# Allegro board SG2042_EVB_V1_1.brd (continued)
## Routing (per net, layer and track width the routed paths; a pad name or vN(x,y) marks a point on that pad's centre or on a via; arc(x,y) is an arc through that point) (continued)
DDR2_DQ22: length 82.9
  TOP w0.16: U1.AL8 v1(116.97,103.15)
  ART03 w0.089: 107.97,105.67 108.89,104.74 114,104.74 114.09,104.65 115.17,104.65 115.49,104.32 115.49,103.86 115.7,103.66 116.46,103.66 v1(116.97,103.15)
  ART03 w0.168: J3.32 70.01,143.12 arc(70.33,143.06) 70.61,142.88 70.81,142.67 arc(71.08,142.49) 71.4,142.43 72.32,142.43 arc(72.64,142.49) 72.92,142.67 73.27,143.03 arc(73.55,143.21) 73.87,143.28 75.7,143.28 arc(76.02,143.21) 76.29,143.03 76.7,142.62 arc(76.92,142.48) 77.17,142.43 77.2,142.43 arc(77.45,142.48) 77.66,142.62 78.07,143.03 arc(78.35,143.21) 78.67,143.28 79.5,143.28 arc(79.82,143.21) 80.09,143.03 80.5,142.62 arc(80.72,142.48) 80.97,142.43 81.27,142.43 81.41,142.56 86.16,142.56 86.79,141.93 87.03,141.93 87.51,142.41 87.74,142.41 88.04,142.11 88.04,141.87 87.56,141.4 87.56,141.16 87.86,140.87 88.1,140.87 88.57,141.34 88.81,141.34 89.11,141.04 89.11,140.81 88.63,140.33 88.63,140.09 88.93,139.8 89.17,139.8 89.64,140.27 89.88,140.27 90.17,139.98 90.17,139.74 89.7,139.26 89.7,139.03 90,138.73 90.23,138.73 90.72,139.22 90.95,139.22 103.59,126.58 103.59,110.02 107.94,105.67 107.97,105.67
DDR2_DQ23: length 80.1
  TOP w0.16: U1.AK5 v1(113.97,104.15)
  ART03 w0.089: v1(113.97,104.15) 113.57,104.55 108.81,104.55 108.53,104.84 107.97,104.84
  ART03 w0.168: 107.97,104.84 107.94,104.84 103,109.77 103,126.33 96.34,133 96.1,133 95.6,132.5 95.37,132.5 95.07,132.8 95.07,133.04 95.57,133.53 95.57,133.77 95.27,134.07 95.03,134.07 94.54,133.57 94.3,133.57 94,133.87 94,134.1 94.5,134.6 94.5,134.84 94.2,135.13 93.97,135.13 93.47,134.64 93.23,134.64 92.94,134.93 92.94,135.17 93.43,135.67 93.43,135.9 93.14,136.2 92.9,136.2 92.4,135.71 92.17,135.71 91.87,136 91.87,136.24 92.36,136.73 92.36,136.97 92.07,137.27 91.83,137.27 91.34,136.77 91.1,136.77 90.8,137.07 90.8,137.31 91.3,137.8 91.3,138.04 91,138.34 90.76,138.34 90.27,137.84 90.03,137.84 85.89,141.98 81.41,141.98 81.27,142.12 80.87,142.12 arc(80.55,142.18) 80.27,142.36 79.86,142.77 arc(79.65,142.92) 79.4,142.96 78.86,142.96 arc(78.61,142.92) 78.4,142.77 77.98,142.36 arc(77.71,142.18) 77.39,142.12 77.07,142.12 arc(76.75,142.18) 76.47,142.36 76.07,142.77 arc(75.85,142.91) 75.59,142.96 74.84,142.96 arc(74.51,142.9) 74.24,142.72 73.88,142.36 arc(73.61,142.18) 73.29,142.12 70.24,142.12 arc(70.15,142.13) 70.07,142.18 J3.177
DDR2_DQ24: length 75.2
  TOP w0.16: U1.AN8 v1(116.97,101.15)
  ART03 w0.089: v1(116.97,101.15) 116.38,101.74 108.54,101.74 108.28,101.48 107.97,101.48
  ART03 w0.168: 107.97,101.48 106.58,101.48 99.65,108.41 99.65,122.12 88.85,132.92 88.85,133.97 85.8,137.02 82.11,137.02 81.66,137.46 81.41,137.46 81.27,137.33 80.97,137.33 arc(80.72,137.38) 80.5,137.52 80.09,137.93 arc(79.82,138.11) 79.5,138.18 78.67,138.18 arc(78.35,138.11) 78.07,137.93 77.66,137.52 arc(77.45,137.38) 77.2,137.33 77.17,137.33 arc(76.92,137.38) 76.7,137.52 76.29,137.93 arc(76.02,138.11) 75.7,138.18 73.86,138.18 arc(73.54,138.11) 73.26,137.93 72.91,137.57 arc(72.63,137.39) 72.31,137.33 71.38,137.33 arc(71.05,137.39) 70.78,137.57 70.58,137.78 arc(70.31,137.96) 69.99,138.02 J3.38
DDR2_DQ25: length 73.1
  TOP w0.16: U1.AN6 v1(114.97,101.15)
  ART03 w0.089: 107.97,100.9 108.62,101.55 114.57,101.55 v1(114.97,101.15)
  ART03 w0.168: J3.183 69.99,137.17 arc(70.16,137.06) 70.36,137.01 73.3,137.01 arc(73.62,137.08) 73.89,137.26 74.25,137.62 arc(74.52,137.8) 74.85,137.87 75.59,137.87 arc(75.85,137.81) 76.07,137.67 76.47,137.26 arc(76.75,137.08) 77.07,137.01 77.39,137.01 arc(77.71,137.08) 77.98,137.26 78.4,137.67 arc(78.61,137.82) 78.86,137.87 79.4,137.87 arc(79.65,137.82) 79.86,137.67 80.27,137.26 arc(80.55,137.08) 80.87,137.01 81.27,137.01 81.86,136.43 84.49,136.43 84.88,136.04 85.12,136.04 85.35,136.28 85.59,136.28 85.89,135.98 85.89,135.75 85.65,135.51 85.65,135.27 85.95,134.98 86.18,134.98 86.42,135.21 86.66,135.21 86.95,134.92 86.95,134.68 86.72,134.44 86.72,134.21 87.01,133.91 87.25,133.91 87.49,134.15 87.72,134.15 88.02,133.85 88.02,133.61 87.78,133.38 87.78,133.14 99.07,121.86 99.07,108.17 106.33,100.9 107.97,100.9
DDR2_DQ26: length 73.7
  TOP w0.16: U1.AT6 v1(114.97,98.15)
  ART03 w0.089: v1(114.97,98.15) 114.57,97.74 108.88,97.74 107.95,96.82 106.97,96.82
  ART03 w0.168: J3.45 68.11,132.07 arc(68.43,132.01) 68.71,131.83 69.06,131.47 arc(69.34,131.29) 69.66,131.22 70.01,131.22 arc(70.33,131.29) 70.61,131.47 70.81,131.67 arc(71.08,131.85) 71.4,131.91 72.97,131.91 arc(73.29,131.85) 73.56,131.67 73.61,131.62 arc(73.88,131.44) 74.2,131.38 75.7,131.38 arc(76.02,131.31) 76.29,131.13 76.7,130.72 arc(76.92,130.58) 77.17,130.53 77.2,130.53 arc(77.45,130.58) 77.66,130.72 78.07,131.13 arc(78.35,131.31) 78.67,131.38 79.5,131.38 arc(79.82,131.31) 80.09,131.13 80.49,130.73 arc(80.72,130.58) 80.98,130.53 81.27,130.53 81.41,130.66 83.27,130.66 89.58,124.36 90.79,124.36 94.99,120.17 94.99,106.48 104.64,96.82 106.97,96.82
DDR2_DQ27: length 73.6
  TOP w0.16: U1.AT8 v1(116.97,98.15)
  ART03 w0.089: 106.97,96.23 107.25,96.23 107.65,96.63 108.03,96.63 108.96,97.55 116.38,97.55 v1(116.97,98.15)
  ART03 w0.168: 106.97,96.23 104.4,96.23 94.4,106.23 94.4,118.71 93.95,119.16 93.95,119.4 94.24,119.69 94.24,119.93 93.95,120.23 93.71,120.23 93.41,119.93 93.18,119.93 92.88,120.23 92.88,120.46 93.18,120.76 93.18,121 92.88,121.29 92.64,121.29 92.35,121 92.11,121 91.81,121.29 91.81,121.53 92.11,121.83 92.11,122.06 91.81,122.36 91.58,122.36 91.28,122.06 91.04,122.06 90.75,122.36 90.75,122.6 91.04,122.89 91.04,123.13 90.75,123.43 90.51,123.43 90.21,123.13 89.97,123.13 83.03,130.07 81.42,130.07 81.27,130.22 80.87,130.22 arc(80.55,130.28) 80.27,130.46 79.86,130.87 arc(79.65,131.02) 79.4,131.07 79.37,131.07 arc(79.12,131.02) 78.9,130.87 78.49,130.46 arc(78.22,130.28) 77.9,130.22 77.07,130.22 arc(76.75,130.28) 76.47,130.46 76.07,130.87 arc(75.85,131.01) 75.59,131.07 71.96,131.07 arc(71.76,131.11) 71.59,131.22 J3.190
DDR2_DQ28: length 76.6
  TOP w0.16: U1.AM7 v1(115.97,102.15)
  ART03 w0.089: v1(115.97,102.15) 115.38,102.74 108.37,102.74 108.28,102.66 107.97,102.66
  ART03 w0.168: 107.97,102.66 107.06,102.66 100.83,108.89 100.83,122.66 95.65,127.84 95.65,128.83 85.31,139.16 84.77,139.16 84.6,139 84.6,138.57 84.44,138.4 84.02,138.4 83.85,138.57 83.85,139 83.68,139.16 83.26,139.16 83.1,139 83.1,138.57 82.93,138.4 82.51,138.4 82.34,138.57 82.34,139 82.17,139.16 81.41,139.16 81.27,139.03 80.97,139.03 arc(80.72,139.08) 80.5,139.22 80.09,139.63 arc(79.82,139.81) 79.5,139.88 78.67,139.88 arc(78.35,139.81) 78.07,139.63 77.66,139.22 arc(77.45,139.08) 77.2,139.03 77.17,139.03 arc(76.92,139.08) 76.7,139.22 76.29,139.63 arc(76.02,139.81) 75.7,139.88 73.86,139.88 arc(73.53,139.81) 73.26,139.63 72.9,139.27 arc(72.63,139.09) 72.31,139.03 71.58,139.03 arc(71.32,139.08) 71.1,139.22 70.85,139.48 arc(70.58,139.66) 70.26,139.72 J3.36
DDR2_DQ29: length 75.7
  TOP w0.16: U1.AM5 v1(113.97,102.15)
  ART03 w0.089: v1(113.97,102.15) 113.57,102.55 108.45,102.55 107.97,102.07
  ART03 w0.168: 107.97,102.07 106.82,102.07 100.24,108.65 100.24,122.36 94.78,127.82 94.78,128.06 95.06,128.35 95.06,128.59 94.77,128.88 94.53,128.88 94.25,128.6 94.01,128.6 93.71,128.89 93.71,129.13 94,129.42 94,129.65 93.7,129.95 93.46,129.95 93.18,129.66 92.94,129.66 92.64,129.96 92.64,130.2 92.93,130.48 92.93,130.72 92.63,131.02 92.4,131.02 92.11,130.73 91.87,130.73 91.58,131.03 91.58,131.27 91.86,131.55 91.86,131.79 91.56,132.08 91.33,132.08 91.04,131.8 90.81,131.8 90.51,132.1 90.51,132.33 90.79,132.62 90.79,132.85 90.5,133.15 90.26,133.15 89.98,132.87 89.74,132.87 89.44,133.16 89.44,133.4 89.73,133.69 89.73,133.92 86.05,137.6 82.39,137.6 81.27,138.71 80.87,138.71 arc(80.55,138.78) 80.27,138.96 79.86,139.37 arc(79.65,139.52) 79.4,139.57 78.86,139.57 arc(78.61,139.52) 78.4,139.37 77.98,138.96 arc(77.71,138.78) 77.39,138.71 77.07,138.71 arc(76.75,138.78) 76.47,138.96 76.07,139.37 arc(75.85,139.51) 75.59,139.57 74.85,139.57 arc(74.52,139.5) 74.25,139.32 73.89,138.96 arc(73.62,138.78) 73.3,138.71 70.36,138.71 arc(70.16,138.76) 69.99,138.87 J3.181
DDR2_DQ30: length 73.8
  TOP w0.16: U1.AT5 v1(113.97,98.15)
  ART03 w0.089: 107.84,97.4 108.98,98.55 113.57,98.55 v1(113.97,98.15)
  ART03 w0.168: 107.84,97.4 104.89,97.4 95.57,106.72 95.57,120.41 90.83,125.16 90.59,125.16 90.38,124.95 90.14,124.95 89.85,125.24 89.85,125.48 90.06,125.69 90.06,125.93 89.62,126.36 88.4,126.36 82.96,131.8 81.43,131.8 81.32,131.91 80.87,131.91 arc(80.55,131.98) 80.27,132.16 79.86,132.57 arc(79.65,132.72) 79.4,132.77 79.37,132.77 arc(79.12,132.72) 78.9,132.57 78.49,132.16 arc(78.22,131.98) 77.9,131.91 77.07,131.91 arc(76.75,131.98) 76.47,132.16 76.07,132.57 arc(75.85,132.71) 75.59,132.77 74.2,132.77 arc(73.88,132.7) 73.61,132.52 73.56,132.47 arc(73.29,132.29) 72.97,132.23 71.4,132.23 arc(71.08,132.29) 70.81,132.47 70.61,132.68 arc(70.33,132.86) 70.01,132.92 69.66,132.92 arc(69.34,132.99) 69.06,133.17 68.71,133.53 arc(68.43,133.71) 68.11,133.77 J3.43
DDR2_DQ31: length 73.7
  TOP w0.16: U1.AR5 v1(113.97,99.15)
  ART03 w0.089: 107.97,97.99 108.15,97.99 108.91,98.74 113.57,98.74 v1(113.97,99.15)
  ART03 w0.168: 107.97,97.99 105.13,97.99 96.16,106.96 96.16,120.65 89.47,127.34 89.23,127.34 88.86,126.97 88.62,126.97 88.33,127.27 88.33,127.51 88.7,127.88 88.7,128.11 88.4,128.41 88.16,128.41 87.79,128.04 87.56,128.04 87.26,128.34 87.26,128.57 87.63,128.94 87.63,129.18 87.33,129.48 87.1,129.48 86.73,129.11 86.49,129.11 86.19,129.4 86.19,129.64 86.56,130.01 86.56,130.25 86.27,130.55 86.03,130.55 85.66,130.17 85.42,130.17 85.13,130.47 85.13,130.71 85.5,131.08 85.5,131.32 85.2,131.61 84.96,131.61 84.59,131.24 84.35,131.24 84.06,131.54 84.06,131.77 84.43,132.15 84.43,132.38 84.15,132.66 81.71,132.66 81.27,132.23 80.97,132.23 arc(80.72,132.28) 80.5,132.42 80.09,132.83 arc(79.82,133.01) 79.5,133.08 78.67,133.08 arc(78.35,133.01) 78.07,132.83 77.66,132.42 arc(77.45,132.28) 77.2,132.23 77.17,132.23 arc(76.92,132.28) 76.7,132.42 76.29,132.83 arc(76.02,133.01) 75.7,133.08 71.96,133.08 arc(71.76,133.04) 71.59,132.92 J3.188
DDR2_DQ32: length 50.4
  TOP w0.16: U1.BH4 v1(112.97,86.15)
  BOTTOM w0.089: v1(112.97,86.15) 112.35,85.52 109.5,85.52 109.23,85.25 91.15,85.25 90.73,84.83
  BOTTOM w0.16: J3.97 68.13,82.77 arc(68.43,82.83) 68.69,83.01 69.08,83.39 arc(69.33,83.56) 69.64,83.62 70.03,83.62 arc(70.33,83.56) 70.59,83.39 70.98,83.01 arc(71.24,82.83) 71.54,82.77 71.75,82.77 arc(71.92,82.81) 72.06,82.9 72.09,82.93 arc(72.23,83.02) 72.41,83.06 72.65,83.06 arc(72.96,83.12) 73.22,83.29 73.47,83.55 arc(73.73,83.72) 74.04,83.78 75.6,83.78 arc(75.85,83.83) 76.06,83.97 76.27,84.19 76.27,84.19 76.51,84.42 arc(76.74,84.58) 77.01,84.63 77.59,84.63 arc(77.9,84.57) 78.16,84.4 78.54,84.02 arc(78.8,83.84) 79.11,83.78 79.39,83.78 arc(79.65,83.83) 79.87,83.98 80.28,84.4 arc(80.54,84.57) 80.85,84.63 81.27,84.63 81.47,84.83 82.97,84.83 83.62,85.48 88.94,85.48 89.59,84.83 90.73,84.83
DDR2_DQ33: length 44.7
  TOP w0.16: U1.BJ1 v1(109.97,85.15)
  BOTTOM w0.114: v1(109.97,85.15) 109.56,85.15 109.29,84.88 91.5,84.88 90.73,84.11
  BOTTOM w0.16: J3.242 71.59,81.92 arc(71.89,82.12) 72.24,82.19 72.62,82.19 arc(72.93,82.26) 73.19,82.43 73.98,83.23 arc(74.24,83.4) 74.55,83.46 75.75,83.46 arc(76.03,83.52) 76.26,83.67 76.49,83.9 76.49,83.91 76.71,84.12 arc(76.92,84.26) 77.17,84.31 77.46,84.31 arc(77.77,84.25) 78.03,84.08 78.41,83.7 arc(78.67,83.52) 78.97,83.46 79.52,83.46 arc(79.82,83.52) 80.08,83.7 80.51,84.12 arc(80.72,84.26) 80.96,84.31 81.27,84.31 81.47,84.11 83.6,84.11 83.76,84.27 83.76,84.6 83.92,84.76 84.32,84.76 84.48,84.6 84.48,84.27 84.64,84.11 85.04,84.11 85.2,84.27 85.2,84.6 85.36,84.76 85.76,84.76 85.92,84.6 85.92,84.27 86.08,84.11 86.48,84.11 86.64,84.27 86.64,84.6 86.8,84.76 87.2,84.76 87.36,84.6 87.36,84.27 87.52,84.11 87.92,84.11 88.08,84.27 88.08,84.6 88.24,84.76 88.64,84.76 88.8,84.6 88.8,84.27 88.96,84.11 90.73,84.11
DDR2_DQ34: length 47
  TOP w0.16: U1.BM2 v1(110.97,82.15)
  BOTTOM w0.089: v1(110.97,82.15) 110.6,81.77 109.46,81.77 109.11,81.43 93.98,81.43 91.01,78.46 89.5,78.46 89.33,78.29
  BOTTOM w0.16: 89.33,78.29 89.03,78.29 88.77,78.03 81.47,78.03 81.27,77.83 80.85,77.83 arc(80.54,77.77) 80.28,77.6 79.87,77.18 arc(79.65,77.03) 79.39,76.98 79.1,76.98 arc(78.8,77.04) 78.54,77.22 78.16,77.6 arc(77.9,77.77) 77.59,77.83 77.05,77.83 arc(76.74,77.77) 76.48,77.6 76.07,77.18 arc(75.85,77.03) 75.59,76.98 73.84,76.98 arc(73.53,76.92) 73.27,76.75 72.89,76.37 arc(72.63,76.19) 72.32,76.13 71.38,76.13 arc(71.07,76.19) 70.82,76.37 70.59,76.59 arc(70.33,76.76) 70.03,76.82 J3.104
DDR2_DQ35: length 46
  TOP w0.16: U1.BM3 v1(111.97,82.15)
  BOTTOM w0.114: 89.33,77.57 89.85,78.09 91.16,78.09 94.13,81.06 109.26,81.06 109.74,81.53 111.36,81.53 v1(111.97,82.15)
  BOTTOM w0.16: J3.249 70.08,75.88 arc(70.15,75.83) 70.24,75.81 73.32,75.81 arc(73.63,75.87) 73.89,76.05 74.27,76.43 arc(74.53,76.6) 74.83,76.66 75.72,76.66 arc(76.02,76.72) 76.28,76.9 76.7,77.31 arc(76.92,77.46) 77.18,77.51 77.46,77.51 arc(77.77,77.45) 78.03,77.28 78.41,76.9 arc(78.67,76.72) 78.97,76.66 79.52,76.66 arc(79.82,76.72) 80.08,76.9 80.51,77.32 arc(80.72,77.46) 80.97,77.51 81.27,77.51 81.47,77.31 89.07,77.31 89.33,77.57
DDR2_DQ36: length 51.3
  TOP w0.16: U1.BH1 v1(109.97,86.15)
  BOTTOM w0.114: 90.73,86.32 90.94,86.32 91.29,85.97 109.09,85.97 109.26,86.15 v1(109.97,86.15)
  BOTTOM w0.16: 90.73,86.32 90.22,86.32 89.88,86.66 89.88,87.64 89.3,88.22 88.67,88.22 88.51,88.38 88.51,88.69 88.35,88.85 87.95,88.85 87.79,88.69 87.79,88.38 87.63,88.22 87.23,88.22 87.07,88.38 87.07,88.69 86.91,88.85 86.51,88.85 86.35,88.69 86.35,88.38 86.19,88.22 85.79,88.22 85.63,88.38 85.63,88.69 85.47,88.85 85.07,88.85 84.91,88.69 84.91,88.38 84.75,88.22 83.98,88.22 82.29,86.53 81.47,86.53 81.27,86.33 80.85,86.33 arc(80.54,86.27) 80.28,86.1 79.87,85.68 arc(79.65,85.53) 79.39,85.48 79.11,85.48 arc(78.8,85.54) 78.54,85.72 78.16,86.1 arc(77.9,86.27) 77.59,86.33 77.05,86.33 arc(76.74,86.27) 76.48,86.1 76.07,85.68 arc(75.85,85.53) 75.59,85.48 73.37,85.48 arc(73.06,85.42) 72.8,85.25 72.26,84.71 arc(72,84.53) 71.7,84.47 71.54,84.47 arc(71.23,84.53) 70.98,84.71 70.59,85.09 arc(70.33,85.26) 70.03,85.32 69.62,85.32 arc(69.31,85.26) 69.05,85.09 68.67,84.71 arc(68.41,84.53) 68.11,84.47 J3.95
DDR2_DQ37: length 51.1
  TOP w0.16: U1.BH2 v1(110.97,86.15)
  BOTTOM w0.089: 90.73,85.6 109.15,85.6 109.32,85.77 110.6,85.77 v1(110.97,86.15)
  BOTTOM w0.16: 90.73,85.6 89.92,85.6 89.16,86.36 89.16,87.34 89,87.5 88.6,87.5 88.44,87.34 88.44,86.36 88.28,86.2 87.88,86.2 87.72,86.36 87.72,87.34 87.56,87.5 87.16,87.5 87,87.34 87,86.36 86.84,86.2 86.44,86.2 86.28,86.36 86.28,87.34 86.12,87.5 85.72,87.5 85.56,87.34 85.56,86.36 85.4,86.2 85,86.2 84.84,86.36 84.84,87.34 84.68,87.5 84.28,87.5 84.12,87.34 84.12,86.36 83.96,86.2 83.32,86.2 82.93,85.81 81.47,85.81 81.27,86.01 80.98,86.01 arc(80.72,85.96) 80.5,85.81 80.08,85.4 arc(79.82,85.22) 79.52,85.16 78.97,85.16 arc(78.67,85.22) 78.41,85.4 78.03,85.78 arc(77.77,85.95) 77.46,86.01 77.18,86.01 arc(76.92,85.96) 76.7,85.81 76.28,85.4 arc(76.02,85.22) 75.72,85.16 74.61,85.16 arc(74.3,85.1) 74.04,84.93 73.27,84.16 arc(73.01,83.98) 72.7,83.92 72.31,83.92 arc(71.92,83.84) 71.59,83.62 J3.240
DDR2_DQ38: length 50
  TOP w0.16: U1.BL2 v1(110.97,83.15)
  BOTTOM w0.114: v1(110.97,83.15) 110.59,82.76 109.55,82.76 108.94,82.15 93.68,82.15 90.71,79.18 89.88,79.18 89.33,79.73
  BOTTOM w0.16: 89.33,79.73 88.36,80.71 87.56,80.71 87.4,80.55 87.4,80.35 87.24,80.19 86.84,80.19 86.68,80.35 86.68,80.55 86.52,80.71 86.12,80.71 85.96,80.55 85.96,80.35 85.8,80.19 85.4,80.19 85.24,80.35 85.24,80.55 85.08,80.71 84.68,80.71 84.52,80.55 84.52,80.35 84.36,80.19 83.96,80.19 83.8,80.35 83.8,80.55 83.64,80.71 83.04,80.71 82.37,80.04 81.77,80.04 81.27,79.53 80.85,79.53 arc(80.54,79.47) 80.28,79.3 79.87,78.88 arc(79.65,78.73) 79.39,78.68 79.1,78.68 arc(78.8,78.74) 78.54,78.92 78.16,79.3 arc(77.9,79.47) 77.59,79.53 77.05,79.53 arc(76.74,79.47) 76.48,79.3 76.07,78.88 arc(75.85,78.73) 75.59,78.68 73.86,78.68 arc(73.55,78.62) 73.29,78.45 72.91,78.07 arc(72.65,77.89) 72.35,77.83 71.38,77.83 arc(71.07,77.89) 70.81,78.07 70.59,78.29 arc(70.33,78.46) 70.03,78.52 J3.102
DDR2_DQ39: length 51.2
  TOP w0.16: U1.BL4 v1(112.97,83.15)
  BOTTOM w0.089: 89.33,79.01 89.53,78.82 90.86,78.82 93.83,81.78 109.01,81.78 109.75,82.52 112.35,82.52 v1(112.97,83.15)
  BOTTOM w0.16: 89.33,79.01 88.73,79.01 88.48,78.75 88.04,78.75 87.88,78.91 87.88,79.29 87.72,79.45 87.32,79.45 87.16,79.29 87.16,78.91 87,78.75 86.6,78.75 86.44,78.91 86.44,79.29 86.28,79.45 85.88,79.45 85.72,79.29 85.72,78.91 85.56,78.75 85.16,78.75 85,78.91 85,79.29 84.84,79.45 84.44,79.45 84.28,79.29 84.28,78.91 84.12,78.75 83.72,78.75 83.56,78.91 83.56,79.29 83.4,79.45 83,79.45 82.84,79.29 82.84,78.91 82.68,78.75 81.73,78.75 81.27,79.21 80.97,79.21 arc(80.72,79.16) 80.51,79.02 80.08,78.6 arc(79.82,78.42) 79.52,78.36 78.97,78.36 arc(78.67,78.42) 78.41,78.6 78.03,78.98 arc(77.77,79.15) 77.46,79.21 77.18,79.21 arc(76.92,79.16) 76.7,79.01 76.28,78.6 arc(76.02,78.42) 75.72,78.36 74.83,78.36 arc(74.53,78.3) 74.27,78.13 73.89,77.75 arc(73.63,77.57) 73.32,77.51 70.24,77.51 arc(70.15,77.53) 70.08,77.58 J3.247
DDR2_DQ40: length 50.5
  TOP w0.16: U1.BR1 v1(109.97,79.15)
  BOTTOM w0.089: v1(109.97,79.15) 109.84,79.01 109.27,79.01 108.45,78.19 95.86,78.19 92.64,74.96 92.64,74.8
  BOTTOM w0.16: 92.64,74.8 91.39,73.56 87.28,73.56 86.46,72.73 85.98,72.73 85.82,72.89 85.82,73.35 85.66,73.51 85.26,73.51 85.1,73.35 85.1,72.89 84.94,72.73 84.54,72.73 84.38,72.89 84.38,73.35 84.22,73.51 83.82,73.51 83.66,73.35 83.66,72.89 83.5,72.73 83.1,72.73 82.94,72.89 82.94,73.35 82.78,73.51 82.38,73.51 82.22,73.35 82.22,72.89 82.06,72.73 80.97,72.73 arc(80.72,72.78) 80.51,72.92 80.08,73.35 arc(79.82,73.52) 79.52,73.58 78.97,73.58 arc(78.67,73.52) 78.41,73.35 78.03,72.97 arc(77.77,72.79) 77.46,72.73 77.18,72.73 arc(76.92,72.78) 76.7,72.93 76.28,73.35 arc(76.02,73.52) 75.72,73.58 73.84,73.58 arc(73.53,73.52) 73.27,73.35 72.89,72.97 arc(72.63,72.79) 72.32,72.73 71.38,72.73 arc(71.07,72.79) 70.82,72.97 70.59,73.19 arc(70.33,73.36) 70.03,73.42 J3.108
DDR2_DQ41: length 51.3
  TOP w0.16: U1.BR2 v1(110.97,79.15)
  BOTTOM w0.114: v1(110.97,79.15) 110.47,78.65 109.43,78.65 108.6,77.82 96.01,77.82 93.15,74.95 93.15,74.29
  BOTTOM w0.16: 93.15,74.29 91.75,72.89 91.75,72.07 91.59,71.91 91.19,71.91 91.03,72.07 91.03,72.66 90.87,72.82 90.47,72.82 90.31,72.66 90.31,72.07 90.15,71.91 89.75,71.91 89.59,72.07 89.59,72.66 89.43,72.82 89.03,72.82 88.87,72.66 88.87,72.07 88.71,71.91 88.31,71.91 88.15,72.07 88.15,72.66 87.99,72.82 87.59,72.82 87.43,72.66 87.43,72.07 87.27,71.91 81.77,71.91 81.27,72.41 80.85,72.41 arc(80.54,72.47) 80.28,72.65 79.87,73.06 arc(79.65,73.21) 79.39,73.26 79.1,73.26 arc(78.8,73.2) 78.54,73.03 78.16,72.65 arc(77.9,72.47) 77.59,72.41 77.05,72.41 arc(76.74,72.47) 76.48,72.65 76.07,73.06 arc(75.85,73.21) 75.59,73.26 74.83,73.26 arc(74.53,73.2) 74.27,73.03 73.89,72.65 arc(73.63,72.47) 73.32,72.41 70.24,72.41 arc(70.15,72.43) 70.08,72.48 J3.253
DDR2_DQ42: length 60.6
  TOP w0.16: U1.BN5 v1(113.97,81.15)
  BOTTOM w0.114: v1(113.97,81.15) 114.5,80.61 114.5,76.54 111.82,73.86 99.3,73.86 91.57,66.13 90.33,66.13 89.61,65.41
  BOTTOM w0.16: J3.115 68.13,67.47 arc(68.43,67.41) 68.69,67.24 69.08,66.86 arc(69.34,66.68) 69.64,66.62 70.03,66.62 arc(70.33,66.56) 70.59,66.39 70.98,66.01 arc(71.24,65.83) 71.54,65.77 72.83,65.77 arc(73.13,65.83) 73.39,66.01 73.61,66.23 arc(73.87,66.4) 74.18,66.46 75.59,66.46 arc(75.85,66.41) 76.07,66.26 76.48,65.85 arc(76.74,65.67) 77.05,65.61 77.59,65.61 arc(77.9,65.67) 78.16,65.85 78.54,66.23 arc(78.8,66.4) 79.1,66.46 79.39,66.46 arc(79.65,66.41) 79.87,66.26 80.28,65.85 arc(80.54,65.67) 80.85,65.61 81.27,65.61 81.47,65.41 81.84,65.41 82.28,64.96 89.16,64.96 89.61,65.41
DDR2_DQ43: length 52
  TOP w0.16: U1.BT5 v1(113.97,78.15)
  BOTTOM w0.089: v1(113.97,78.15) 114.14,77.98 114.14,76.7 111.67,74.23 99.15,74.23 91.42,66.5 89.97,66.5 89.61,66.13
  BOTTOM w0.16: 89.61,66.13 89.31,66.13 88.86,65.68 88.34,65.68 88.18,65.84 88.18,66.36 88.02,66.52 87.62,66.52 87.46,66.36 87.46,65.84 87.3,65.68 82.58,65.68 82.14,66.13 81.47,66.13 81.27,65.93 80.97,65.93 arc(80.72,65.98) 80.51,66.12 80.08,66.55 arc(79.82,66.72) 79.52,66.78 78.97,66.78 arc(78.67,66.72) 78.41,66.55 78.03,66.17 arc(77.77,65.99) 77.46,65.93 77.18,65.93 arc(76.92,65.98) 76.7,66.13 76.28,66.55 arc(76.02,66.72) 75.72,66.78 73.84,66.78 arc(73.56,66.72) 73.31,66.56 73.29,66.54 arc(73.05,66.38) 72.76,66.32 72.31,66.32 arc(71.92,66.4) 71.59,66.62 J3.260
DDR2_DQ44: length 54
  TOP w0.16: U1.BN2 v1(110.97,81.15)
  BOTTOM w0.114: 91.63,76.14 92.05,75.72 92.37,75.72 95.56,78.91 108.15,78.91 109.88,80.65 110.47,80.65 v1(110.97,81.15)
  BOTTOM w0.16: 91.63,76.14 91.51,76.26 91.51,76.8 91.35,76.96 90.95,76.96 90.79,76.8 90.79,75.17 90.63,75.01 90.23,75.01 90.07,75.17 90.07,76.19 89.91,76.35 89.51,76.35 89.35,76.19 89.35,75.47 89.19,75.31 88.79,75.31 88.63,75.47 88.63,76.19 88.47,76.35 82.72,76.35 82.2,75.82 82.2,75.36 81.27,74.43 80.97,74.43 arc(80.72,74.48) 80.51,74.62 80.08,75.05 arc(79.82,75.22) 79.52,75.28 78.97,75.28 arc(78.67,75.22) 78.41,75.05 78.03,74.67 arc(77.77,74.49) 77.46,74.43 77.18,74.43 arc(76.92,74.48) 76.7,74.63 76.28,75.05 arc(76.02,75.22) 75.72,75.28 73.84,75.28 arc(73.53,75.22) 73.27,75.05 72.89,74.67 arc(72.63,74.49) 72.32,74.43 71.38,74.43 arc(71.07,74.49) 70.81,74.67 70.59,74.89 arc(70.33,75.06) 70.03,75.12 J3.106
DDR2_DQ45: length 52.7
  TOP w0.16: U1.BP1 v1(109.97,80.15)
  BOTTOM w0.089: v1(109.97,80.15) 109.9,80.15 108.3,78.54 95.71,78.54 92.48,75.31 92.13,75.31
  BOTTOM w0.16: 92.13,75.31 92.1,75.31 91.07,74.28 88.2,74.28 88.04,74.44 88.04,75.02 87.88,75.18 87.48,75.18 87.32,75.02 87.32,74.44 87.16,74.28 86.76,74.28 86.6,74.44 86.6,75.46 86.44,75.62 86.04,75.62 85.88,75.46 85.88,74.44 85.72,74.28 85.32,74.28 85.16,74.44 85.16,75.46 85,75.62 84.6,75.62 84.44,75.46 84.44,74.44 84.28,74.28 83.88,74.28 83.72,74.44 83.72,75.46 83.56,75.62 83.16,75.62 83,75.46 83,74.44 82.84,74.28 82.13,74.28 81.97,74.11 80.85,74.11 arc(80.54,74.17) 80.28,74.35 79.87,74.76 arc(79.65,74.91) 79.39,74.96 79.1,74.96 arc(78.8,74.9) 78.54,74.73 78.16,74.35 arc(77.9,74.17) 77.59,74.11 77.05,74.11 arc(76.74,74.17) 76.48,74.35 76.07,74.76 arc(75.85,74.91) 75.59,74.96 74.83,74.96 arc(74.53,74.9) 74.27,74.73 73.89,74.35 arc(73.63,74.17) 73.32,74.11 70.24,74.11 arc(70.15,74.13) 70.08,74.18 J3.251
DDR2_DQ46: length 57.9
  TOP w0.16: U1.BR5 v1(113.97,79.15)
  BOTTOM w0.089: v1(113.97,79.15) 113.47,78.65 113.47,77.97 113.78,77.66 113.78,76.84 111.52,74.58 99,74.58 91.27,66.85 89.61,66.85
  BOTTOM w0.16: J3.113 68.13,69.17 arc(68.43,69.11) 68.69,68.94 69.08,68.56 arc(69.33,68.38) 69.64,68.32 70.03,68.32 arc(70.33,68.26) 70.59,68.09 70.98,67.71 arc(71.23,67.53) 71.54,67.47 71.71,67.47 arc(71.88,67.44) 72.03,67.34 72.05,67.32 arc(72.2,67.22) 72.38,67.18 72.54,67.18 arc(72.85,67.24) 73.1,67.41 73.11,67.42 arc(73.32,67.57) 73.57,67.61 74.06,67.61 arc(74.34,67.67) 74.57,67.83 74.67,67.93 arc(74.93,68.1) 75.24,68.16 75.59,68.16 arc(75.85,68.11) 76.07,67.96 76.48,67.55 arc(76.74,67.37) 77.05,67.31 77.59,67.31 arc(77.9,67.37) 78.16,67.55 78.54,67.93 arc(78.8,68.1) 79.1,68.16 79.39,68.16 arc(79.65,68.11) 79.87,67.96 80.28,67.55 arc(80.54,67.37) 80.85,67.31 82.03,67.31 82.91,66.44 86.48,66.44 87.46,67.42 89.01,67.42 89.57,66.85 89.61,66.85
DDR2_DQ47: length 53.7
  TOP w0.16: U1.BT4 v1(112.97,78.15)
  BOTTOM w0.114: v1(112.97,78.15) 112.97,77.95 113.41,77.51 113.41,77 111.37,74.95 99.15,74.95 98.85,74.95 91.12,67.22 90.22,67.22 89.61,67.83
  BOTTOM w0.16: J3.258 71.68,68.23 arc(71.88,68.09) 72.12,68.05 72.76,68.05 arc(73.1,68.12) 73.39,68.31 73.42,68.33 arc(73.58,68.44) 73.78,68.48 75.72,68.48 arc(76.02,68.42) 76.28,68.25 76.7,67.83 arc(76.92,67.68) 77.18,67.63 77.46,67.63 arc(77.77,67.69) 78.03,67.87 78.41,68.25 arc(78.67,68.42) 78.97,68.48 79.52,68.48 arc(79.82,68.42) 80.08,68.25 80.51,67.82 arc(80.72,67.68) 80.97,67.63 81.27,67.63 81.77,68.14 82.88,68.14 83.04,67.98 83.04,67.32 83.2,67.16 83.6,67.16 83.76,67.32 83.76,67.98 83.92,68.14 84.32,68.14 84.48,67.98 84.48,67.32 84.64,67.16 85.04,67.16 85.2,67.32 85.2,67.98 85.36,68.14 85.76,68.14 85.92,67.98 85.92,67.62 86.08,67.46 86.48,67.46 86.64,67.62 86.64,67.98 86.8,68.14 89.3,68.14 89.61,67.83
DDR2_DQ48: length 60.2
  TOP w0.16: U1.BH5 v1(113.97,86.15)
  ART03 w0.089: v1(113.97,86.15) 113.57,85.74 109.73,85.74 109.28,85.3 109.28,83.76 109.17,83.64
  ART03 w0.168: J3.119 68.11,64.07 arc(68.43,64.01) 68.71,63.83 69.06,63.47 arc(69.34,63.29) 69.66,63.22 70.01,63.22 arc(70.33,63.29) 70.61,63.47 70.96,63.83 arc(71.24,64.01) 71.56,64.07 71.8,64.07 arc(72.12,64.14) 72.4,64.32 72.91,64.83 arc(73.18,65.01) 73.5,65.08 75.7,65.08 arc(76.02,65.01) 76.29,64.83 76.7,64.42 arc(76.92,64.28) 77.17,64.23 77.2,64.23 arc(77.45,64.28) 77.66,64.42 78.07,64.83 arc(78.35,65.01) 78.67,65.08 79.5,65.08 arc(79.82,65.01) 80.09,64.83 80.51,64.41 arc(80.72,64.28) 80.96,64.23 81.27,64.23 81.38,64.34 82.78,64.34 85.99,67.55 87.34,67.55 102.13,82.34 107.87,82.34 109.17,83.64
DDR2_DQ49: length 59.3
  TOP w0.16: U1.BJ5 v1(113.97,85.15)
  ART03 w0.089: 109.47,83.12 109.47,83.12 109.47,85.22 109.81,85.55 113.57,85.55 v1(113.97,85.15)
  ART03 w0.168: J3.264 71.88,63.22 arc(72.13,63.27) 72.34,63.41 73.45,64.52 arc(73.72,64.7) 74.04,64.76 75.59,64.76 arc(75.85,64.71) 76.07,64.57 76.47,64.16 arc(76.75,63.98) 77.07,63.92 77.9,63.92 arc(78.22,63.98) 78.49,64.16 78.9,64.57 arc(79.12,64.72) 79.37,64.76 79.4,64.76 arc(79.65,64.72) 79.86,64.57 80.27,64.16 arc(80.55,63.98) 80.87,63.92 81.27,63.92 81.37,63.82 81.37,63.82 81.72,63.47 84.1,63.47 84.44,63.81 84.44,64.05 84,64.48 84,64.72 84.3,65.02 84.53,65.02 84.97,64.58 85.21,64.58 85.51,64.88 85.51,65.11 85.07,65.55 85.07,65.79 85.36,66.08 85.6,66.08 86.04,65.65 86.28,65.65 86.57,65.94 86.57,66.18 86.32,66.43 86.32,66.67 86.62,66.96 86.86,66.96 87.11,66.71 87.34,66.71 102.39,81.76 108.11,81.76 109.47,83.12